# KiCad board mainboard.kicad_pcb (continued)
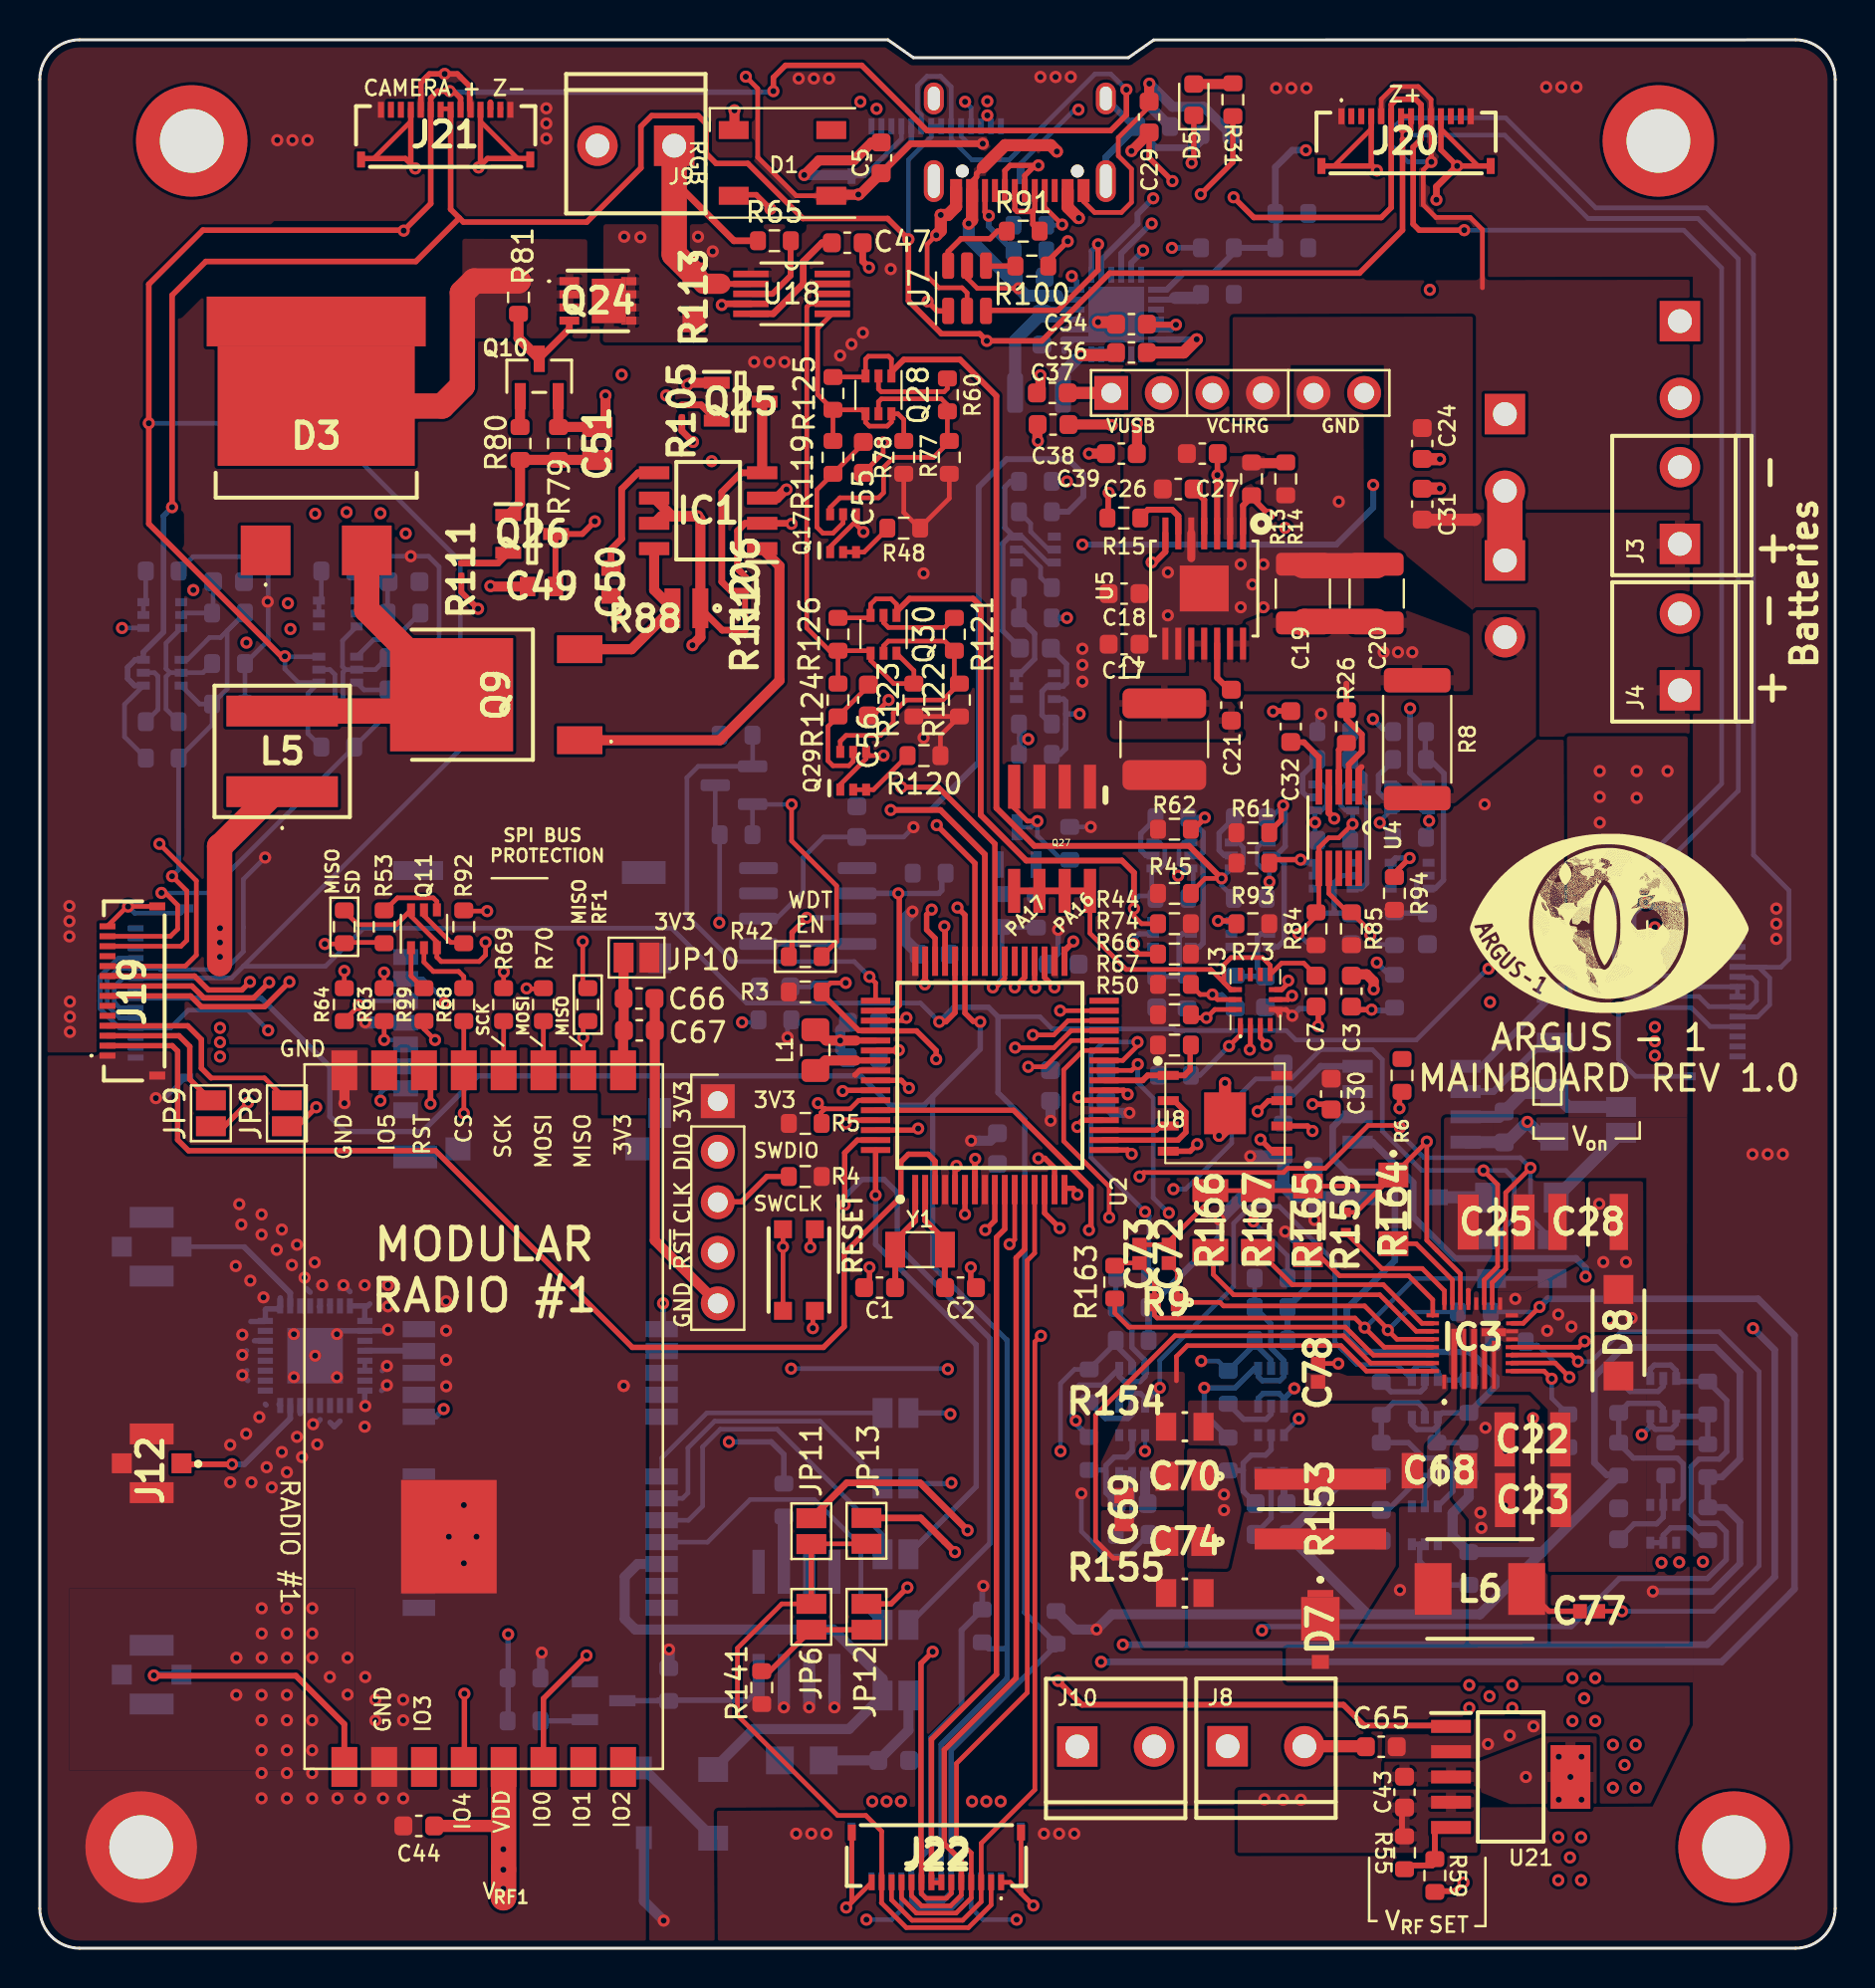
[diagram p0: board, top side]
## Routing (per net, layer and track width the routed paths; a pad name or vN(x,y) marks a point on that pad's centre or on a via; arc(x,y) is an arc through that point) (continued)
VSET: length 10.3
  Top w0.235: R167.2 62.9,33.34 67.48,33.34 69.42,31.4 IC3.24
VSOLAR: length 30.2
  Route15 w1.27: v1(25.44,92.44) v1(25.44,90.92) 25.36,90.84 v1(11.93,90.84) ; v1(62.09,93.46) 77.13,93.46 v1(77.18,93.51)
  vias: v1(1.49,52.36) v1(1.49,51.6) v1(1.49,50.84) v1(1.51,47.56) v1(1.51,46.8) v1(1.51,46.04) v1(12.69,90.84) v1(13.45,90.84) v1(25.44,91.68) v1(37.99,5.75) v1(38.11,93.94) v1(38.75,5.75) v1(38.87,93.94) v1(39.51,5.75) v1(39.64,93.94) v1(50.25,94.02) v1(50.43,5.75) v1(51.02,94.02) v1(51.19,5.75) v1(51.78,94.02) v1(51.96,5.75) v1(62.85,93.46) v1(63.61,93.46) v1(75.65,93.51) v1(76.42,93.51) v1(86.02,39.89) v1(86.78,39.89) v1(87.21,52.24) v1(87.21,51.47) v1(87.21,50.71) v1(87.54,39.89)
VSYS: length 0.7
  Top w0.235: IC3.19 71.74,33.06 71.74,33.06
  vias: v1(78.35,59.14) v1(78.35,57.85) v1(78.35,56.55) v1(80.2,59.14) v1(80.2,57.8) v1(81.75,59.14)
WDT_EN: length 23.8
  Top w0.235: v1(41.67,48.81) 41.98,48.5 U2.49
  Bottom w0.235: R90.1 35.8,60.94 Q14.1 33.07,59.38 32.5,58.81 32.5,51.88 34.81,49.57 40.9,49.57 v1(41.67,48.81)
WDT_WDI: length 14
  Top w0.272: U2.50 42.89,47.1 43.17,47.38 43.17,52.95 v1(43.12,53)
  Bottom w0.272: v1(43.12,53) 41.14,53 ; 41.11,53 45.15,53 45.3,53.15 45.3,54.01
~{RESET}: length 45.7
  Top w0.235: SW1.A' v1(37.33,35.24) SW1.A ; R3.2 39.73,48.5 v1(40.47,48.5)
  Top w0.272: v1(45.02,44.67) 45.02,45.1 44.03,46.09 42.77,46.09 42.76,46.1 42.04,46.1 ; 39.33,47.99 39.33,47.91 41.13,46.1 41.62,46.1
  Route15 w0.235: v1(34.12,51.52) 36.72,48.93 40.04,48.93 v1(40.47,48.5)
  Route15 w0.272: J2.4 36.64,34.94 45.02,43.32 v1(45.02,44.67)
  Bottom w0.235: v1(40.47,48.5) 38.9,48.5 38.7,48.3 37.71,48.3 ; Q14.3 33.92,56.16 R89.1 34.14,51.54 v1(34.12,51.52)
Net-(C59-+): length 6.6
  Bottom w0.508: JP5.1 43.62,10.95 C60.2 C59.1
Net-(D1-DIN): length 44.7
  Top w0.272: 46.96,49.52 46.96,54.51 v1(45.05,56.43)
  Top w0.279: 34.85,88.1 35.98,88.1 v1(36.69,87.39)
  Route15 w0.279: v1(36.69,87.39) 37.53,87.39 45.05,79.87 v1(45.05,56.43)
Net-(D3-A_2): length 17.9
  Top w1.27: L5.2 19.86,62.16 Q9.2 16.42,67.24 D3.3
Net-(D3-K_1): length 15.5
  Top w1.27: D3.4 20.21,77.48 21.22,78.5 21.22,83.17 21.82,83.77 R81.1
Net-(D4-K): length 2.6
  Bottom w0.61: D4.1 72.68,37.73 R136.1
Net-(D5-A): length 2
  Top w0.508: 59.92,93.66 D5.2
Net-(D6-K): length 5
  Bottom w0.508: D6.1 30.34,9.01 R137.1
Net-(IC1-CS): length 8.9
  Top w0.508: IC1.8 30.85,68.24 R88.2 29.72,65.27 Q9.3
Net-(IC1-EXT): length 18.3
  Top w0.508: IC1.1 37.15,69.45 37.15,63.69 34.15,60.69 Q9.1
Net-(IC1-REF): length 6.2
  Top w0.338: C50.2 28.69,70.28 29.22,70.82 29.22,73.32 30.04,74.13 IC1.5
Net-(IC1-SHDN): length 13.3
  Top w0.293: R112.2 35.42,68.13 R106.2
  Top w0.338: IC1.4 35.22,74.13 34.25,73.16 34.25,68.65 34.73,68.18 R106.2
  Top w0.508: Q25.3 36.28,77.58 IC1.4
Net-(IC1-V+): length 28
  Top w0.293: R106.1 35.47,68.88 35.22,69.13 ; C49.2 25.9,71.02 Q26.3 27.24,71.06 v1(27.88,71.69)
  Top w0.338: 35.22,69.13 35.04,69.31 35.04,71.21 35.42,71.59 IC1.2 37.73,71.59 v1(37.76,71.56)
  Route15 w0.293: v1(27.88,71.69) 27.88,75.02 29.48,76.62 35.6,76.62 36.59,75.63 36.59,72.73 v1(37.76,71.56)
Net-(IC2-OSCI): length 6
  Bottom w0.338: IC2.1 72.4,44.31 Y2.1
Net-(IC2-OSCO): length 5.5
  Bottom w0.338: Y2.2 75.47,45.5 73.01,43.04 IC2.2
Net-(IC2-VDD): length 5.8
  Bottom w0.235: 62.45,42.9 C63.2
  Bottom w0.338: IC2.8 64.33,44.31 62.92,42.9 C63.2 ; R103.1 62.45,42.9
Net-(IC3-CNFG): length 6.8
  Top w0.235: R159.2 67.39,34.15 69.43,34.15 70.54,33.04 IC3.22
Net-(J7-SIGNAL): length 7.4
  Bottom w0.235: 6.79,35.24 10.25,35.24 10.27,35.22
  Bottom w0.293: 10.27,35.23 12.58,32.92 U13.26
Net-(J12-SIGNAL): length 7.3
  Top w0.293: v1(9.65,24.31) 6.84,24.31
  Bottom w0.293: v1(9.65,24.31) 9.66,24.32 10.27,24.32 12.58,26.62 U13.15
Net-(J13-SHIELD): length 22.8
  Route2 w0.338: J13.S1 45.15,88.54 53.29,88.54 J13.S1
  Route2 w1.27: J13.S1 J13.S1
  Bottom w0.338: R102.2 55.12,91.41 56.07,90.46 58.03,90.46 58.29,90.73 C62.2 ; R102.2 54.95,91.53 J13.S1 ; R102.2 55.08,91.53 53.54,89.99 J13.S1
Net-(J14-Pin_1): length 4.4
  Top w0.508: v1(53.84,76.52) 53.8,76.56 51.68,76.56
  Top w0.61: 51.64,78.14 J14.1
  Bottom w0.279: 53.81,78.15 J14.1
  Bottom w0.508: 53.84,78.12 J14.1
Net-(J14-Pin_3): length 2
  Top w0.508: 55.11,75.1 v1(55.11,76.62)
  Bottom w0.279: U17.14 54.81,79.87 ; U17.13 55.31,79.88
  Bottom w0.508: 55.11,76.6 v1(55.11,76.62)
Net-(J16-Pad2): length 3.5
  Top w1.778: J17.1 J16.2
Net-(JP1-B): length 13
  Bottom w0.235: U14.18 31.23,24.63 33.5,26.89 JP1.2
Net-(JP2-B): length 15.3
  Bottom w0.235: U14.19 32.28,22.6 32.55,22.87 32.55,25.13 33.9,26.48 39.19,26.48 JP2.2
Net-(JP3-B): length 17.9
  Bottom w0.235: JP3.2 42.32,20.78 37.03,26.08 34.18,26.08 33.29,25.18 33.29,22.21 32.58,21.5 U14.20
Net-(JP4-B): length 16.3
  Bottom w0.235: JP4.2 41.24,17.33 41.24,20.21 38.9,22.54 35.67,22.54 33.53,20.4 U14.21
Net-(JP5-B): length 29.3
  Bottom w0.508: R137.2 35.85,11.01 40.64,11.01 JP5.2 42.32,13.53 39.84,16.01 29.91,16.01 29.38,16.55 29.38,18.66 30.02,19.3 U14.22
Net-(JP7-B): length 4.6
  Bottom w0.61: JP7.2 76.16,37.71 R136.2
Net-(JP8-B): length 11.4
  Top w0.235: 8.6,43.73 11.28,43.73 JP8.2
  Top w0.272: 8.6,43.73 8.12,44.21 8.12,45.66 7.43,46.34 J19.4
Net-(JP9-B): length 7.5
  Top w0.272: J19.3 6.99,45.84 7.53,45.3 7.53,43.66 JP9.2
Net-(JP12-B): length 6.1
  Top w0.272: R141.2 36.67,13.92 JP6.2 41.49,16
Net-(Q1-D): length 6.9
  Bottom w0.279: 35.97,12.87 35.57,12.46 31.08,12.46 31.05,12.44 Q1.3
Net-(Q1-G): length 2.2
  Bottom w0.272: Q1.1 27.31,11.42 25.17,11.42
Net-(Q2A-B1): length 5.8
  Bottom w0.272: R110.2 R30.2 49.96,66.05 49.96,64.78 49.25,64.06 Q2.3 Q2.2
Net-(Q2B-B2): length 5.6
  Bottom w0.272: 50.6,63.41 50.34,63.15 50.34,61.96 50.79,61.51 ; 50.6,63.41 51.4,63.41 51.56,63.57 51.56,64.51 50.79,65.29 50.79,65.32 ; 50.6,63.41 Q2.5
Net-(Q3A-B1): length 2.9
  Bottom w0.235: Q3.2 49.37,70.27 50.26,69.37 50.26,68.87 50.77,68.36 R110.1
Net-(Q3A-C1): length 12.6
  Bottom w0.235: Q3.3 49.33,70.92 50.63,69.62 Q3.6
  Bottom w0.272: 49.21,65.32 49.21,65.34 48.36,66.19 48.36,70.58 48.7,70.92 Q3.3 48.92,70.92 48.46,71.38 48.46,73.41 48.76,73.7 49.21,73.7
Net-(Q3B-B2): length 2.8
  Bottom w0.235: R52.1 49.76,71.59 49.76,71.17 50.67,70.27 Q3.5
Net-(Q4A-D1): length 10.8
  Bottom w0.272: Q5.5 69.56,27.07 69.23,27.4 67.98,27.4 R27.2 R28.2 68.74,25.4 69.51,24.63 70.6,24.63 70.96,24.26 70.96,22.95 Q4.6
Net-(Q4A-G2): length 4.5
  Bottom w0.272: Q4.3 69.3,20.3 ; 69.3,20.3 69.3,19.44 70.5,18.25 R25.2 ; 69.3,20.3 Q4.2
Net-(Q4B-G1): length 5.3
  Bottom w0.272: Q4.5 69.56,23.14 R33.2 69.43,23.75 67.72,22.03 67.37,22.03
Net-(Q5A-B1): length 2.9
  Bottom w0.272: Q5.2 69.56,28.17 69.35,27.96 67.86,27.96 R27.1
Net-(Q6A-G2): length 3.7
  Bottom w0.272: Q6.3 Q6.2 81.53,20.75 81.9,21.12 82.79,21.12 83.41,20.5 R37.2
Net-(Q6B-G1): length 4.8
  Bottom w0.272: C48.1 80.07,21.32 81.2,21.32 81.53,21.65 Q6.5 81.53,23.62 R58.2
Net-(Q7A-B1): length 2.7
  Bottom w0.272: 60.01,56.81 59.23,56.03 59.23,55.17 59.5,54.9 Q7.2
Net-(Q8A-B1): length 2.7
  Bottom w0.272: 56.07,56.81 56.07,56.78 55.29,56.01 55.29,55.17 55.56,54.9 Q8.2
Net-(Q10-D): length 5.2
  Top w0.338: Q10.3 26.59,81.37 Q24.4
  Top w0.508: R81.2 24.04,80.9 Q10.3
Net-(Q10-G): length 1.6
  Top w0.508: Q10.1 24.12,77.97 R80.2
Net-(Q11A-B1): length 3.6
  Top w0.235: Q11.2 19.29,49.55 19.76,49.07 21.03,49.07 21.29,48.82 21.29,48.2
Net-(Q11A-E1): length 2.3
  Top w0.235: Q11.1 18.64,48.85 19.29,48.2
Net-(Q11B-B2): length 2.8
  Top w0.235: 21.29,50.53 20.64,50.53 19.29,51.88 Q11.5
Net-(Q11B-E2): length 3.4
  Top w0.235: Q11.4 19.94,52.59 19.76,52.77 17.96,52.77 17.29,52.11
Net-(Q12A-D1): length 11.2
  Top w0.272: v1(62.45,57.42) 62.34,57.32 62.34,56.68 61.71,56.05
  Bottom w0.235: v1(62.45,57.42) 61.84,56.81 R71.2
  Bottom w0.272: 62.09,54.9 Q7.5 ; 62.09,54.9 62.5,54.5 62.5,50.63 62.18,50.32 Q12.6 ; 62.09,54.9 62.55,55.36 62.55,57.32 v1(62.45,57.42)
Net-(Q12A-G2): length 2.3
  Top w0.272: v1(59.17,51.62) 59.99,51.62 60.13,51.47
  Bottom w0.272: v1(59.17,51.62) 59.17,51.62 Q12.3 Q12.2
Net-(Q12B-G1): length 4.3
  Bottom w0.272: 60.03,48.83 61.56,48.83 61.16,49.23 61.16,50.8 61.32,50.97 Q12.5
Net-(Q13A-D1): length 9.8
  Top w0.272: 57.77,56.05 58.41,56.68 58.51,56.68
  Bottom w0.272: v1(58.51,56.81) 57.68,56.81 58.42,56.07 58.42,55.06 58.26,54.9 Q8.5 ; 58.13,54.9 58.42,54.61 58.42,50.5 58.24,50.32 Q13.6
Net-(Q13A-G2): length 3.6
  Top w0.272: v1(54.95,50.46) 54.95,50.2 55.21,49.95 56.2,49.95
  Bottom w0.272: Q13.3 Q13.2 55.21,50.97 54.95,50.71 v1(54.95,50.46)
Net-(Q13B-G1): length 4.3
  Bottom w0.272: Q13.5 57.38,50.97 57.22,50.8 57.22,49.27 R76.2 57.58,48.83 56.1,48.83
Net-(Q14-S): length 12.4
  Top w0.235: R42.1 40.02,50.57 40.02,53.38 37.76,55.64 v1(37.76,57.47)
  Bottom w0.235: R89.2 35.79,57.48 Q14.2 35.81,57.47 v1(37.76,57.47)
Net-(Q15A-B1): length 2.7
  Bottom w0.272: 64.2,59.73 63.42,58.95 63.42,58.09 63.69,57.82 Q15.2
Net-(Q15B-B2): length 9.5
  Bottom w0.272: 65.77,61.25 65.77,59.7 66.55,58.93 66.55,58.09 66.28,57.82 ; 66.28,57.82 66.64,57.47 66.64,53.51 66.37,53.24 Q18.6 ; 66.28,57.82 Q15.5
Net-(Q16A-B1): length 2.7
  Bottom w0.272: Q16.2 67.5,57.82 67.23,58.09 67.23,58.93 68.01,59.7 68.01,59.73
Net-(Q16B-B2): length 9.6
  Bottom w0.272: Q19.6 70.07,53.24 70.5,53.66 70.5,57.42 70.09,57.82 ; 70.09,57.82 70.52,58.25 70.52,59.02 69.58,59.96 69.58,61.25 ; 70.09,57.82 Q16.5
Net-(Q17A-D1): length 14.5
  Top w0.235: 45.58,75.79 45.58,77.54 45.28,77.85 42.27,77.85 42.12,77.7 42.12,77 ; Q17.6 39.69,72.38 40.18,72.87 42.12,72.87 42.37,73.13 42.37,74.4 42.88,74.91 44.89,74.91 45.68,75.69
Net-(Q17A-G2): length 2.8
  Top w0.235: 42.6,71.35 41.4,70.15 Q17.3 Q17.2
Net-(Q17B-G1): length 7.3
  Top w0.235: Q17.5 40.34,71.6 39.83,71.1 39.33,71.1 39.03,71.39 39.03,73.27 R119.2 41.36,75.6 C55.1
Net-(Q18A-G2): length 3.1
  Top w0.272: 61.71,54.52 61.88,54.69 v1(63.32,54.69)
  Bottom w0.272: Q18.2 Q18.3 63.48,54.54 v1(63.32,54.69)
Net-(Q18B-G1): length 4.3
  Bottom w0.272: 65.87,52.01 65.01,52.01 ; 65.01,52.01 64.12,52.01 ; 65.01,52.01 65.01,53.53 65.36,53.89 Q18.5
Net-(Q19A-G2): length 3
  Top w0.272: 68.03,53.78 68.03,54.01 v1(68.8,54.78)
  Bottom w0.272: Q19.2 Q19.3 68.08,54.78 v1(68.8,54.78)
Net-(Q19B-G1): length 4.2
  Bottom w0.272: 67.91,52.01 69.56,52.01 ; Q19.5 69.38,53.89 69.16,53.67 69.16,52.52 C42.1
Net-(Q20A-B1): length 3
  Bottom w0.272: R38.1 79.87,27.97 81.28,27.97 81.53,28.23 Q20.2
Net-(Q20B-B2): length 10.3
  Bottom w0.272: Q20.5 81.53,27.12 81.28,27.37 79.77,27.37 R38.2 79.3,25.36 80.04,24.63 82.25,24.63 82.54,24.33 82.54,22.63 Q6.6
Net-(Q21-D): length 6.5
  Top w0.235: Q27.4 48.93,57.29 49.59,56.63 v1(50.1,56.63)
  Bottom w0.235: R116.2 51.31,54.69 50.1,55.89 v1(50.1,56.63) 49.8,56.32 Q21.3
Net-(Q21-G): length 1.5
  Bottom w0.235: Q21.1 50.05,54.43 R115.2
Net-(Q23A-D1): length 7.4
  Bottom w0.235: Q23.6 15.2,65.7 15.2,64.39 15.35,64.24 ; R139.2 15.23,62.59 15.23,64.12 15.35,64.24 ; 15.35,64.24 Q35.5 16.86,64.24 R140.2
Net-(Q23A-G2): length 2.2
  Bottom w0.235: Q23.2 Q23.3 14.14,67.83 R138.2
Net-(Q23B-G1): length 3.2
  Bottom w0.235: Q23.5 15.94,67.08 R143.2 17.47,68.61 C61.1
Net-(Q25-B): length 2.1
  Top w0.338: R105.2 33.21,77.54 Q25.2
Net-(Q26-B): length 2.6
  Top w0.338: Q26.2 23.01,69.59 R111.2
Net-(Q26-E): length 6.9
  Top w0.508: Q26.1 24.12,72.6 R80.1 R79.1 28,74.78 C51.2
Net-(Q28A-B1): length 4.6
  Top w0.235: 45.58,78.83 45.58,78.37 45.42,78.21 42.26,78.21 42.12,78.34 42.12,78.9
Net-(Q29A-D1): length 14
  Top w0.235: Q29.6 40.2,60.64 40.49,60.94 42.22,60.94 42.86,61.57 42.86,62.07 43.51,62.71 45.36,62.71 R122.2 45.93,63.79 R121.2 45.45,65.67 42.62,65.67 42.37,65.43 Q30.5
Net-(Q29A-G2): length 3.4
  Top w0.235: Q29.2 Q29.3 41.87,58.21 R120.2
Net-(Q29B-G1): length 6.6
  Top w0.235: C56.1 41.61,63.41 R124.2 39.58,61.38 39.58,59.67 39.83,59.41 40.63,59.41 40.85,59.63 Q29.5
Net-(Q30A-B1): length 4.2
  Top w0.235: R121.1 45.45,66.36 42.62,66.36 42.37,66.6 Q30.2
Net-(Q31A-D1): length 13.9
  Route15 w0.235: v1(51.26,24.97) v1(55.5,24.97)
  Bottom w0.235: v1(51.26,24.97) 51.26,28.37 51.97,29.08 R127.2 ; v1(55.5,24.97) 55.51,24.98 Q31.6
  Bottom w0.272: R127.2 54.04,30.42 R128.2 54.04,30.3 54.86,29.47 Q32.5
Net-(Q31A-G2): length 4.1
  Bottom w0.272: Q31.3 Q31.2 54.86,21.61 R107.2
Net-(Q31B-G1): length 6.1
  Bottom w0.272: 53.54,23.27 53.54,23.97 53.49,24.03 R130.2 ; 53.54,23.27 53.54,24.25 53.96,24.67 54.56,24.67 54.86,24.97 Q31.5 ; 53.54,23.27 53.54,22.88 C57.1
Net-(Q32A-B1): length 3
  Bottom w0.272: R127.1 53.52,26.62 54.65,26.62 54.86,26.83 Q32.2
Net-(Q33A-D1): length 14.4
  Route15 w0.235: v1(58.33,29.5) 62.54,29.5 63.79,28.25 63.79,27.17 v1(63.23,26.61)
  Bottom w0.235: v1(58.33,29.5) 59.18,29.5 R132.2 ; v1(63.23,26.61) 62.49,25.86 Q33.6
  Bottom w0.272: R132.2 61.01,30.34 R133.2 61.01,30.36 61.84,29.54 Q34.5
Net-(Q33A-G2): length 4.1
  Bottom w0.272: R131.2 61.84,21.61 Q33.2 Q33.3
Net-(Q33B-G1): length 5.5
  Bottom w0.272: 60.44,24 60.44,22.96 C58.1 ; 60.44,24 R135.2 ; 60.44,24 60.44,24.38 60.84,24.77 61.56,24.77 61.84,25.05 Q33.5
Net-(Q34A-B1): length 3
  Bottom w0.272: Q34.2 61.84,26.83 61.58,26.57 60.46,26.57 R132.1
Net-(Q35A-B1): length 3.2
  Bottom w0.235: R139.1 14.82,62.71 14.82,63.99 14.57,64.24 Q35.2
Net-(Q36A-D1): length 7.8
  Bottom w0.235: 6.54,64.09 6.34,64.29 6.34,65.57 Q36.6 ; 6.54,64.09 6.34,63.88 6.34,62.26 R145.2 ; 6.54,64.09 Q37.5 8.19,64.09 R146.2
Net-(Q36A-G2): length 2.3
  Bottom w0.235: Q36.2 Q36.3 5.32,67.76 R144.2
Net-(Q36B-G1): length 3.2
  Bottom w0.235: C64.1 8.7,67.13 R148.2 7.2,67.08 Q36.5
Net-(Q37A-B1): length 3.3
  Bottom w0.235: R145.1 5.93,62.23 5.93,63.91 5.76,64.09 Q37.2
Net-(U1-~{MR}): length 5.2
  Bottom w0.272: 41.14,50.46 35.99,50.46
Net-(U1-~{RESET}): length 4.8
  Top w0.272: v1(38.52,51.77) 37.78,51.04 37.78,49.82
  Bottom w0.272: v1(38.52,51.77) 41.1,51.77
Net-(U2-PA07): length 19.7
  Top w0.272: 51.46,38.18 51.89,38.18 52.11,37.97 v1(52.11,37.86) ; v1(68.29,42.2) 68.29,42.94 68.41,43.07
  Route15 w0.272: v1(52.11,37.86) 52.31,38.06 55.77,38.06 56.84,39.13 65.22,39.13 v1(68.29,42.2)
Net-(U2-VDDCORE): length 5.3
  Top w0.293: U2.53 40.98,45.6
  Top w0.508: L1.1 39.5,45.6 v1(40.2,45.6) 40.98,45.6
  Bottom w0.508: 40.58,44.74 40.2,45.12 v1(40.2,45.6) 40.2,46.14 40.58,46.52
Net-(U2-VSW): length 3.2
  Top w0.293: U2.55 40.98,44.6
  Top w0.508: 40.98,44.6 39.46,44.6 L1.2
Net-(U3-SDO): length 3.9
  Top w0.25: v1(59.73,45.33) 60.3,45.9 U3.1
  Bottom w0.25: v1(59.73,45.33) 58.26,43.86 57.77,43.86
Net-(U4-ON): length 2.3
  Top w0.293: 65.24,58.47 65.24,60.21 65.62,60.59
Net-(U4-TIMER): length 3.1
  Top w0.293: 64.24,58.47 64.24,59.84 63.49,60.59 62.83,60.59
Net-(U5-PG): length 3.1
  Top w0.305: U5.6 57.18,71.96 56.86,72.27 55.65,72.27 55.23,71.86
Net-(U5-SS): length 2.4
  Top w0.305: 57.96,73.32 57.96,73.29 58.48,72.77 U5.4
Net-(U5-VBST): length 2.7
  Top w0.305: 59.84,63.25 59.72,63.25 59.13,63.83 U5.12
Net-(U5-VFB): length 4.1
  Top w0.305: U5.2 59.78,73.57
  Top w0.508: 62.57,74.61 60.99,74.61
Net-(U5-VREG5): length 11
  Top w0.279: 59.14,75.39 v1(59.14,74.02) ; v1(53.68,73.13) 53.66,73.1 53.66,72.24
  Top w0.305: v1(59.14,74.02) 59.13,74 U5.3
  Route15 w0.279: v1(53.68,73.13) 54.57,74.02 v1(59.14,74.02)
Net-(U13-SUM_PORT): length 2.7
  Bottom w0.293: U13.4 19.02,30.02 U14.11
Net-(U14-RSTN): length 21
  Route15 w0.279: v1(34.61,25.44) 21.93,25.44 v1(20.28,27.09)
  Bottom w0.279: v1(20.28,27.09) 19.89,26.7 U14.8 ; 37.37,23.28 37.37,24.8 36.73,25.44 v1(34.61,25.44)
Net-(U17-BTST): length 6.8
  Top w0.61: v1(58.1,80.84) 57.44,80.18 55.61,80.18
  Bottom w0.3: 56.58,80.83 U17.12 58.1,80.83 v1(58.1,80.84) 56.59,80.84 56.58,80.83
Net-(U17-ILIM): length 2.3
  Bottom w0.279: 57,82.83 57.01,82.84
  Bottom w0.3: U17.8 57,82.83
  Bottom w0.61: R36.2 58.14,82.92 57.01,82.92
Net-(U17-PMID_1): length 8.2
  Bottom w0.279: 50.53,82.33 50.33,82.13 50.63,81.83
  Bottom w0.3: U17.21 50.63,81.83 ; U17.22 50.53,82.33
  Bottom w0.61: L4.1 48.98,80.78 50.33,82.13
Net-(U17-SW_1): length 5.2
  Top w0.61: 54.04,80.05 v1(52.29,80.05)
  Bottom w0.272: 53.31,79.86 52.81,79.86 ; 53.31,80.3 52.81,80.3
  Bottom w0.61: v1(52.29,80.05) 51.38,79.15 L4.2 ; 52.67,80.05 52.54,80.05
Net-(U18-ON): length 4.1
  Top w0.293: R65.2 37.71,85.78 37.71,84.04 36.79,83.12 U18.3
Net-(U18-TIMER): length 6.2
  Top w0.338: C47.2 39.28,85.69 38.34,84.75 38.34,83.63 36.83,82.12 U18.5
Net-(U21-SENSE/ADJ): length 4.2
  Top w0.293: U21.5 70.19,6.06 70.06,5.94 70.06,4.29 69.94,4.16 68.69,4.16 68.54,4.01
unconnected-(J20-Pad12): length 0.1
  Top w0.272: J20.12 70.87,92.1
unconnected-(J20-Pad13): length 0.1
  Top w0.272: J20.13 71.37,92.1
unconnected-(J21-Pad12): length 0.4
  Top w0.272: 22.63,92.47 22.63,92.42 22.63,92.75
unconnected-(J21-Pad13): length 0.1
  Top w0.272: 23.13,92.42 23.13,92.48

## Copper pours and planes (outline as drawn; the poured copper is in the pictures)
3.3V on Top: 88.17,0 2,0 1.69,0.02 1.38,0.1 1.09,0.22 0.82,0.38 0.59,0.59 0.38,0.82 0.22,1.09 0.1,1.38 0,2 0,93.88 0.02,94.2 0.1,94.5 0.22,94.79 0.38,95.06 0.59,95.3 0.82,95.5 1.09,95.67 1.38,95.79 2,95.88 42.6,95.88 43.87,94.99 54.67,94.99 55.94,95.88 88.17,95.88 88.48,95.86 88.79,95.79 89.08,95.67 89.35,95.5 89.58,95.3 89.79,95.06 89.95,94.79 90.07,94.5 90.17,93.88 90.17,2 90.15,1.69 90.07,1.38 89.95,1.09 89.79,0.82 89.58,0.59 89.35,0.38 89.08,0.22 88.79,0.1
GND on Top: 28.03,41.69 30.44,41.69 30.44,-0.09 -0.04,-0.09 -0.04,45.25 28.03,45.25
GND on Top: 66.48,79.36 66.51,67.22 62.06,67.22 60.16,66.46 57.75,66.46 57.75,63.92 54.44,63.92 54.42,79.36
GND on Top: 72.22,7.89 67.52,7.89 67.52,9.37 72.22,9.37 75.52,10.64 78.19,10.64 78.19,6.57 75.52,6.57
GND on Top: 71.77,31.41 72.3,31.41 72.3,27.37 74.28,27.37 74.28,20.38 71.77,20.38 71.77,21.55 70.95,22.59 70.95,25.16 71.77,26.3
GND on Top: 15.84,8.93 1.49,8.93 1.49,18.07 15.84,18.07
GND on Top: 73.14,32.98 73.83,34.12 73.83,38.7 77.61,38.7 77.61,34.68 74.59,32.98
GND on Top: 71.13,33.01 71.13,31.41 73.24,31.41 73.55,31.58 75.07,31.58 75.81,32.07 75.81,33.67 74.59,32.98 73.14,32.98 73.14,31.89 72.35,31.89 72.35,33.01 71.95,33.01 71.95,31.84 71.54,31.84 71.54,33.01
GND on Top: 57.62,25.11 59.55,25.08 60.34,22.19 60.34,21.93 59.68,19.06 57.62,19.09
GND on Bottom: 2,95.88 42.6,95.88 43.87,94.99 54.67,94.99 55.94,95.88 88.17,95.88 88.48,95.86 88.79,95.79 89.08,95.67 89.35,95.5 89.58,95.3 89.79,95.06 89.95,94.79 90.07,94.5 90.17,93.88 90.17,2 90.15,1.69 90.07,1.38 89.95,1.09 89.79,0.82 89.58,0.59 89.35,0.38 89.08,0.22 88.79,0.1 88.17,0 2,0 1.69,0.02 1.38,0.1 1.09,0.22 0.82,0.38 0.59,0.59 0.38,0.82 0.22,1.09 0.1,1.38 0,2 0,93.88 0.02,94.2 0.1,94.5 0.22,94.79 0.38,95.06 0.59,95.3 0.82,95.5 1.09,95.67 1.38,95.79
GND on Bottom: 8.95,35.55 32.22,35.55 32.22,3.98 11.26,3.95 11.26,19.04 8.95,19.04
GND on Bottom: 13.83,31.99 20.59,32.02 20.64,25.79 13.88,25.77 13.83,24.68 13.83,20.1 1.38,20.1 1.38,39.41 13.83,39.41
GND on Route2: -0.04,95.92 90.26,95.92 90.26,0.04 -0.04,0.04
GND on Route15: -0.04,40.42 10.73,40.42 21.49,34.71 21.49,27.85 20.03,27.47 19.52,26.2 10.73,19.53 -0.04,19.53
GND on Route15: 90.23,0.02 75.18,0.02 75.15,18.71 90.2,18.71
GNDREF on Bottom: 43.61,92.09 43.59,88.18 45.63,81.39 49.85,79.95 49.87,74.46 68.54,74.46 69.81,73.44 69.81,63.28 71.97,61.38 85.15,61.38 85.18,92.09
VBATT on Top: 71.82,66.03 71.84,63.16 59.78,63.16 59.14,63.67 59.14,66.08 62.45,67.35 68.29,67.35
VBATT on Top: 67.58,10.73 71.97,10.76 71.97,11.53 75.4,11.53 75.4,10.51 72.22,9.24 67.55,9.24
VBATT on Bottom: 85.84,45.05 85.84,46.04 82.72,46.04 82.31,47.1 80.3,47.1 80.3,44.08 82,44.08 82.72,45.05
VBATT on Bottom: 40.65,93.28 42.51,93.31 42.99,91.83 42.99,90.51 42,90.51 42,92.01 40.63,92.16
VBATT on Bottom: 4.08,45.99 4.08,45 7.2,45 7.61,43.93 9.61,43.93 9.61,46.95 7.91,46.95 7.2,45.99
VBATT on Bottom: 42.02,2.78 43.01,2.78 43.01,5.91 44.08,6.31 44.08,8.32 41.06,8.32 41.06,6.62 42.02,5.91
VBATT on Bottom: 4.18,50.99 4.18,50 7.3,50 7.71,48.93 9.72,48.93 9.72,51.96 8.01,51.96 7.3,50.99
VBATT on Bottom: 85.94,50.05 85.94,51.04 82.82,51.04 82.41,52.11 80.4,52.11 80.4,49.09 82.11,49.09 82.82,50.05
VBATT on Bottom: 46.98,90.28 47,93.23 48.04,93.23 48.02,90.28
VBATT on Bottom: 47.03,2.68 48.02,2.68 48.02,5.8 49.09,6.21 49.09,8.22 46.06,8.22 46.06,6.52 47.03,5.8
VBATT on Route15: 53.61,90.59 47.66,90.56 46.7,90.26 44.92,90.26 44.92,95.03 53.56,95.03
VBATT on Route15: 76.77,38.6 66.76,38.57 66.76,50.2 70.83,53.25 70.83,63.97 65.16,63.97 65.17,70.91 60.67,75.48 55.84,76.11 55.84,83.65 76.62,83.81
VBATT on Route15: 59.93,36.13 62.8,38.6 90.13,38.6 90.2,18.71 75.15,18.71 75.15,8.24 48.17,8.19 48.12,22.39 54.5,22.39 54.5,36.11
VBATT_SENSE on Top: 75.15,60.87 70.95,57.44 66,57.44 66,62.97 71.97,62.97 71.97,67.22 75.15,67.22
VBUS_IN on Top: 51.08,89.89 53.49,89.89 53.49,88.05 46.63,88.05 46.63,89.19 47.78,90.34 50.63,90.34
VCC_RF1 on Top: 60.16,4.79 72.2,4.79 72.22,7.97 60.16,7.94
BST1 on Top: 70.75,28.77 70.75,28.07 70.16,27.52 63.56,27.52 63.56,28.92 65.24,28.92 65.67,28.77
CSINN on Top: 57.51,28.96 57.51,22.05 53.29,22.05 53.29,24.42 55.45,28.96
CSINP on Top: 57.51,15.1 57.51,22.01 53.29,22.01 53.29,19.65 55.45,15.1
GPS_PWR_IN on Bottom: 29.65,20.13 40.75,20.1 40.75,17.44 29.65,17.46
JETSON_PWR_SENSE on Top: 38.34,87.36 38.37,80.68 28.28,80.68 28.31,87.36
LX1 on Top: 69.66,22.19 69.66,25.26 71.31,26.96 71.31,31.41 71.77,31.41 71.77,26.3 70.95,25.16 70.95,22.59 71.77,21.55 71.77,15.1 65.72,15.1 68.26,19.16 68.26,22.19
LX2 on Top: 72.3,30.37 72.81,30.37 72.81,27.95 74.87,27.95 75.73,27.06 75.73,15.1 71.77,15.1 71.77,20.38 74.28,20.38 74.28,27.37 72.3,27.37
VCHRG on Top: 83.78,72.12 83.81,60.9 75.15,60.87 75.15,65.7 71.97,66.97 71.97,72.12
VCHRG on Top: 72.3,30.37 72.3,31.41 73.52,31.41 73.52,31.2 74.49,31.2 75.81,32.07 75.81,33.67 77.61,34.68 77.61,38.7 80.68,38.7 80.71,30.8 77.23,30.8 76.85,30.37
VCHRG on Top: 59.91,76.75 62.83,76.75 62.83,79.54 67.5,79.54 67.5,70.88 71.97,67.22 71.97,81.98 59.91,81.95
VCHRG on Bottom: 74.03,28.41 84.75,28.38 84.75,38.49 81.09,38.49 81.11,59.98 84.82,59.98 84.82,65.34 73.95,65.34
VSOLAR on Top: 62.57,15.1 83.02,15.15 83.02,13.35 62.57,13.35
VSOLAR on Top, Bottom: 34.05,0.08 90.26,0.04 90.26,95.92 -0.04,95.92 0.03,45.01 7.11,45.01 7.07,82.08 11.77,86.78 45.05,86.78 47.87,83.93 83.02,83.99 83.02,11.21 81,7.12 34.01,6.9
VSOLAR on Bottom: -0.04,56.17 10.55,56.1 10.55,40.86 -0.04,40.93
VSOLAR on Bottom: 37.3,2.96 37.3,6.97 52.54,6.97 52.54,2.96
VSOLAR on Bottom: 81.24,53.89 88.35,53.89 88.35,38.65 81.24,38.65
VSOLAR on Bottom: 52.57,94.75 52.54,89.7 37.3,89.7 37.33,94.75
VSYS on Top: 71.54,31.84 71.54,34.1 70.52,35.12 70.52,41.74 73.01,41.74 73.01,34.94 71.95,33.13 71.95,31.84
VSYS on Top: 73.01,41.74 82.74,41.74 82.69,18.91 80.71,18.91 80.68,38.7 73.01,38.7
VSYS on Top: 72.81,30.37 73.44,30.37 73.44,28.77 77.05,28.77 77.86,30.8 80.71,30.8 80.71,18.91 75.73,18.91 75.73,27.06 74.87,27.95 72.81,27.95
VSYS on Top: 76.77,41.74 82.74,41.74 82.77,60.9 76.7,60.9
VSYS on Route15: 76.72,54.6 87.41,54.6 87.36,83.71 72.1,83.73 72.12,71.62 76.75,71.62
Net-(D3-K_1) on Top: 21.22,85.89 27.5,85.86 27.5,80.89 21.22,80.89
Net-(D7-K_1) on Top: 57.54,19.06 59.68,19.06 60.34,21.93 68.26,21.93 68.26,19.16 65.72,15.1 57.54,15.1
Net-(IC3-CHGIN) on Top: 59.55,25.08 57.54,25.08 57.54,27.52 70.26,27.52 70.76,27.97 70.75,31.41 71.31,31.41 71.31,26.96 69.66,25.26 69.66,22.19 60.34,22.19
Net-(J14-Pin_1) on Bottom: 54.51,76.17 51.71,76.17 51.65,79.41 52.29,80.05 53.56,80.05 53.56,80.56 54.51,80.56
Net-(J14-Pin_3) on Bottom: 58.19,79.16 59.91,79.16 59.91,76.17 54.64,76.17 54.64,80.56 55.78,80.56
Net-(U5-SW1) on Top: 57.72,66.28 58.94,66.28 58.94,63.73 60.41,61.95 60.41,60.74 53.75,60.74 53.75,63.92 57.72,63.92
Net-(U5-VFB) on Top: 61.53,74.97 61.53,74.08 60.41,73.57 60.41,70.78 59.14,70.78 59.14,74.97

## Text on the board
B.Silkscreen: PWR  SCL  IMU | I2C BUS / PROTECTION | SWDIO | SWCLK | Y- | X+ | Y+ | C | SDA IMU | X- | SDA / PWR | ARGUS - 1 MAINBOARD REV 1.0 / BASED ON PYCUBED V5 / MODIFIED BY ROHIT BANGAL | 3V3 | ~{RESET} | GND | RADIO #1 | RTC | VUSB | VCHRG | Batteries | High Side / Switches | Low Side / Switch | + | -
F.Silkscreen: SCK | MOSI | MISO | VUSB | VCHRG | GND | RF1 | SPI BUS / PROTECTION | RF | on | PA17 | PA16 | MISO / SD | MISO / RF1 | SWDIO | SWCLK | V | IO5 | RST | IO3 | IO4 | CS | VDD | IO0 | IO1 | IO2 | 3V3 | CAMERA + Z- | Z+ | SET | DIO | CLK | ~{RST} | RGB | WDT / EN | RADIO #1 | ~{RESET} | ARGUS - 1 / MAINBOARD REV 1.0 | Batteries | J22 | + | MODULAR / RADIO #1 | -
